# Altium PCB QCLogic Rev A.PcbDoc (part 1 of 3) (continued)
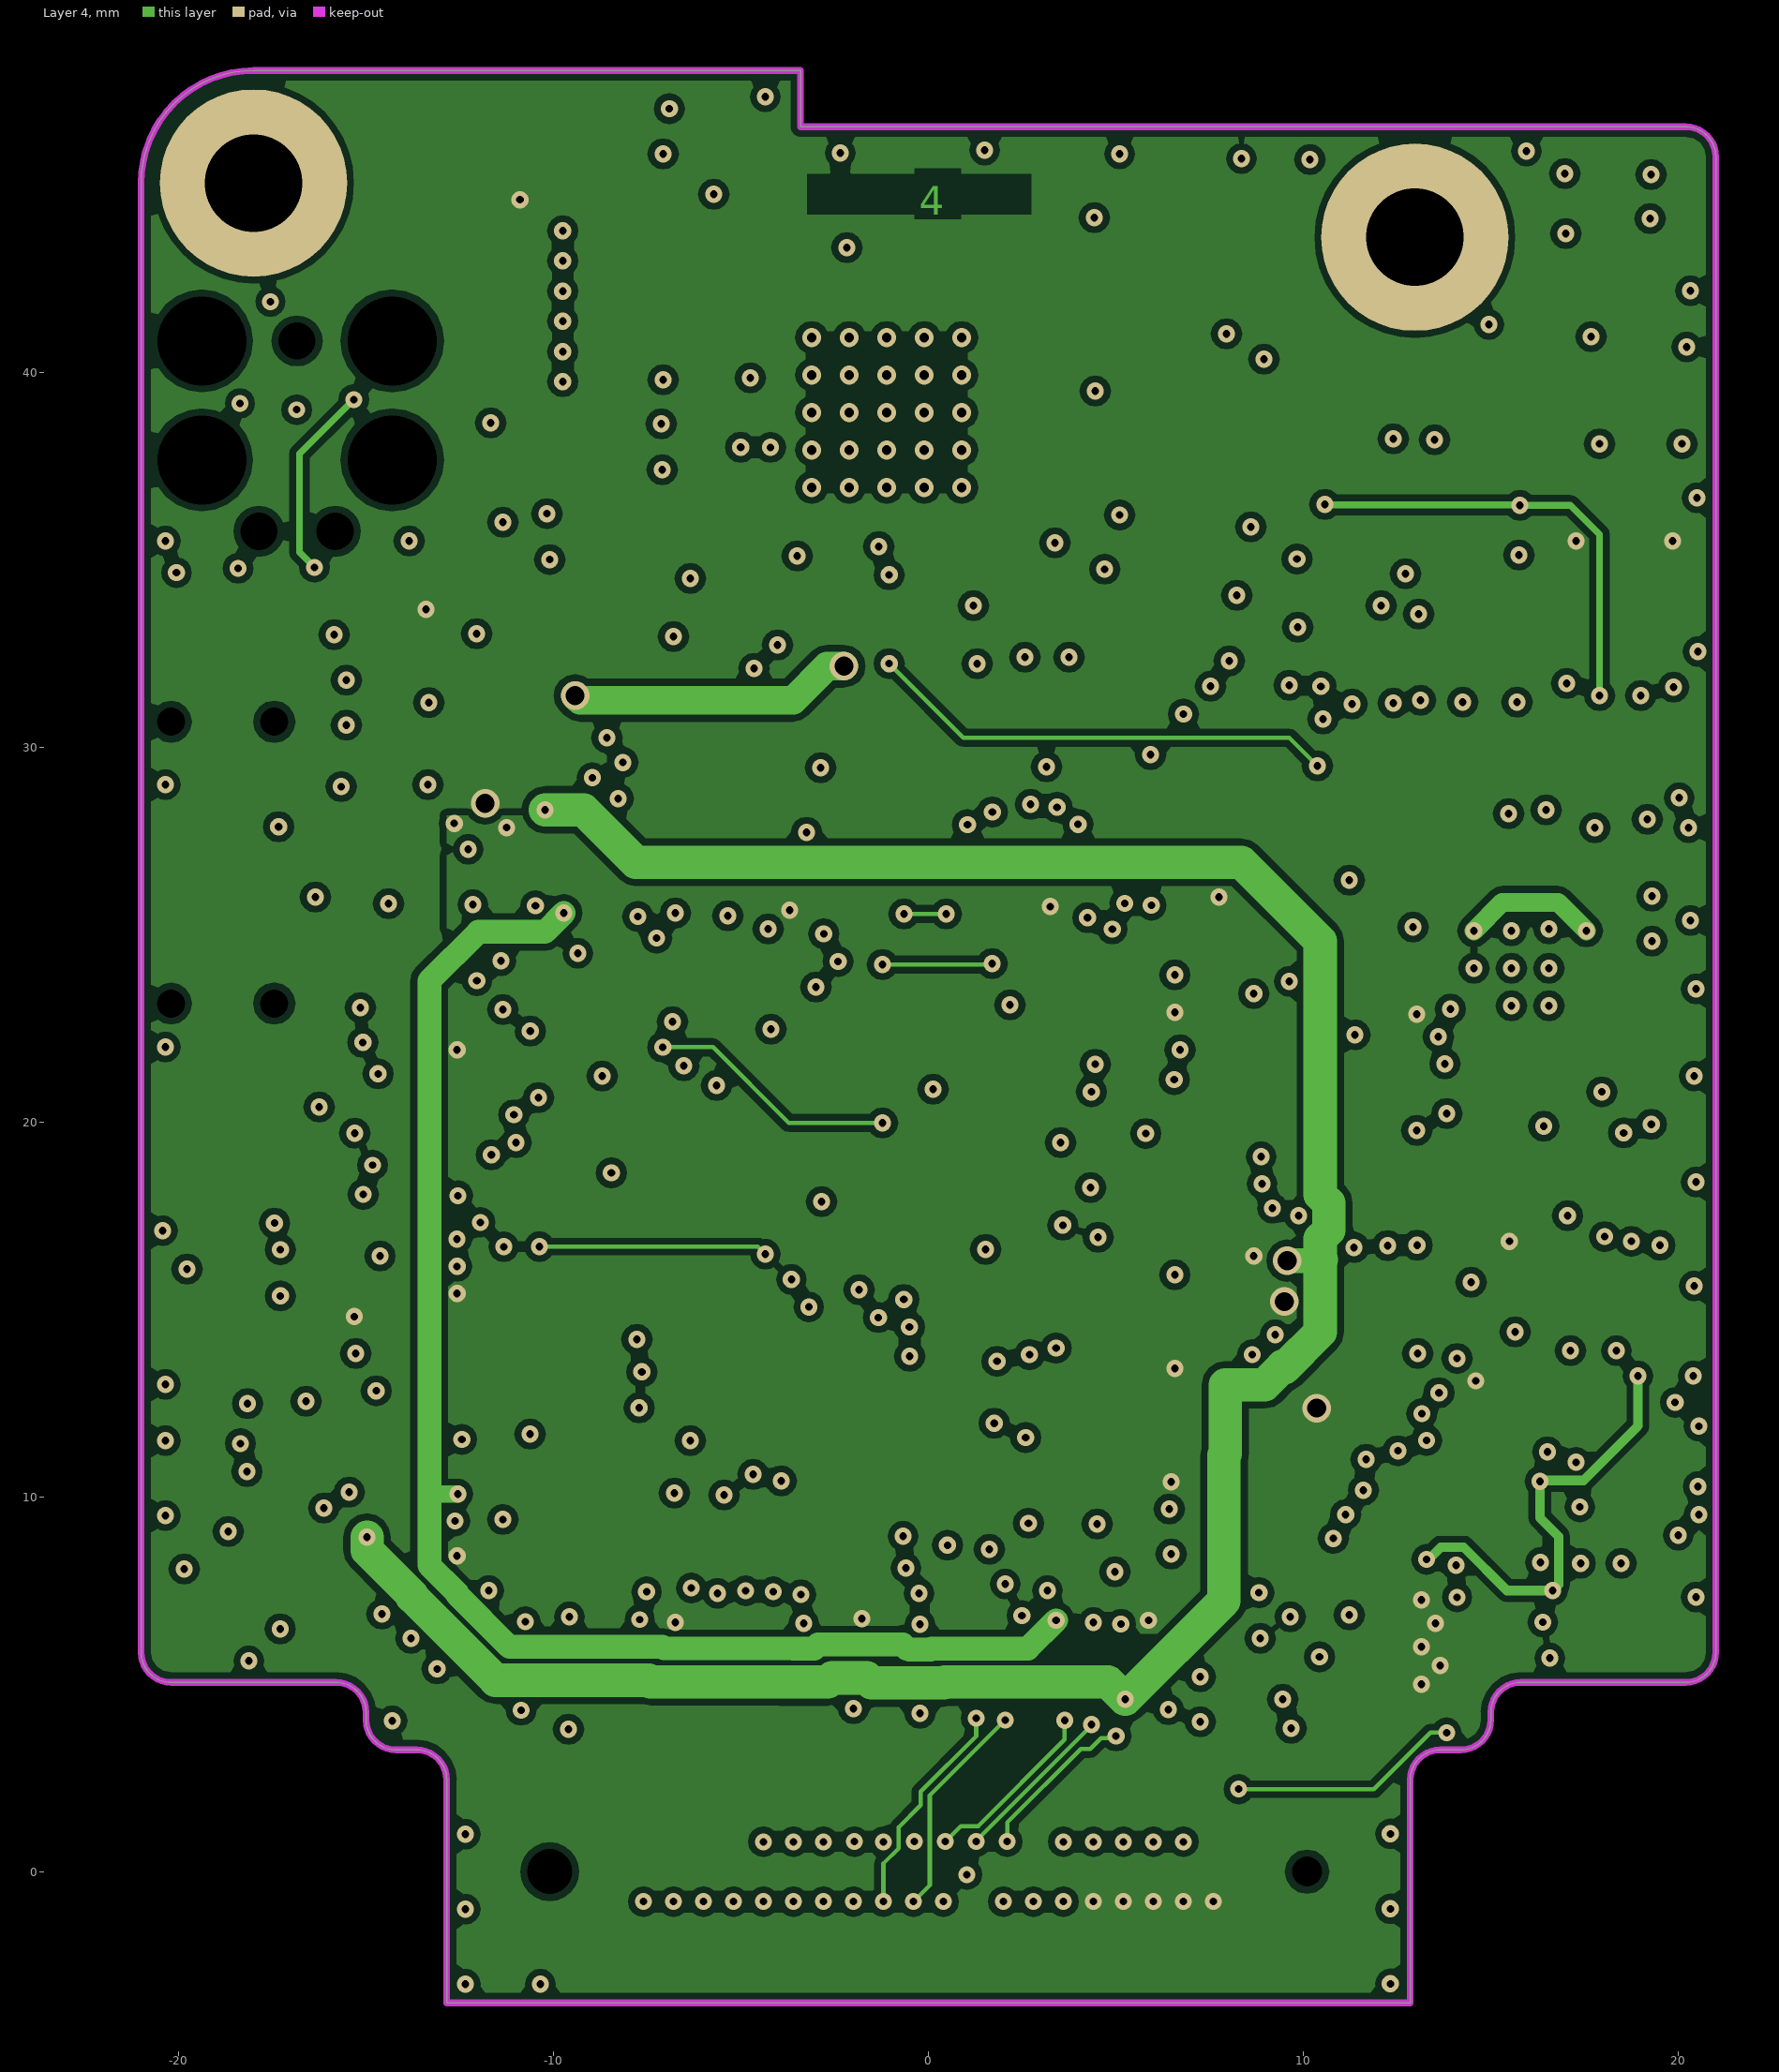
[diagram p4: Layer 4]
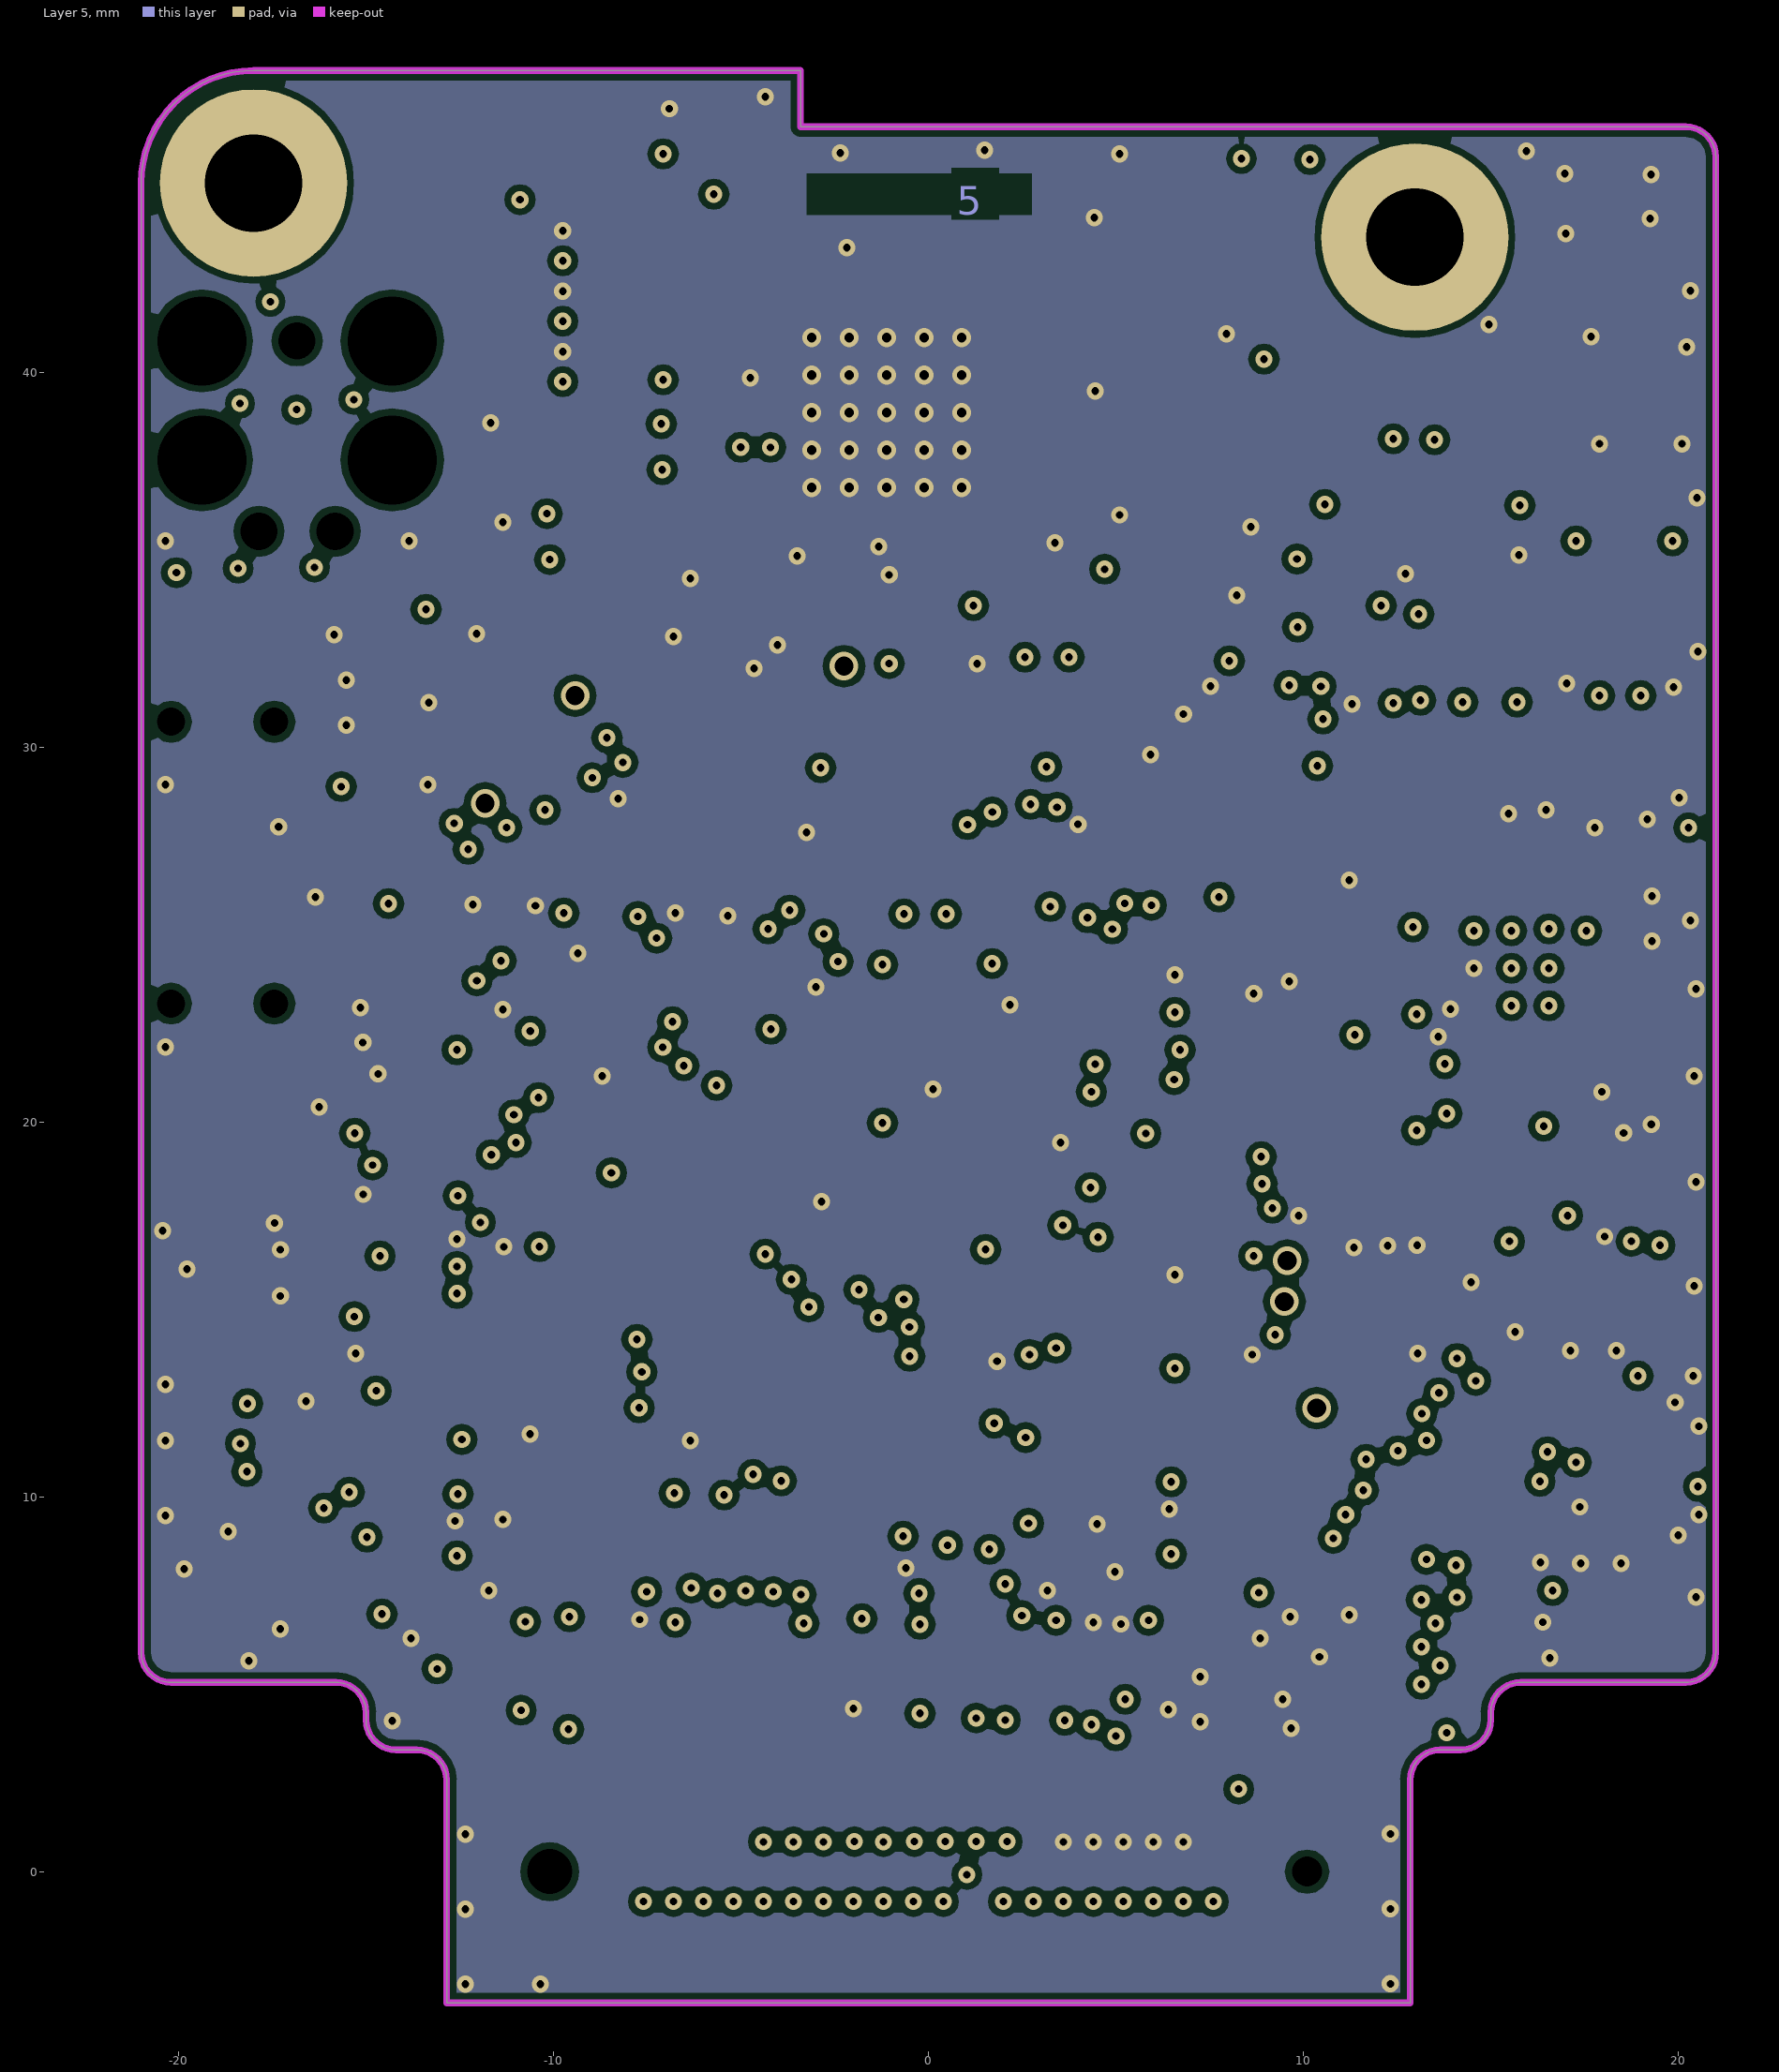
[diagram p5: Layer 5]
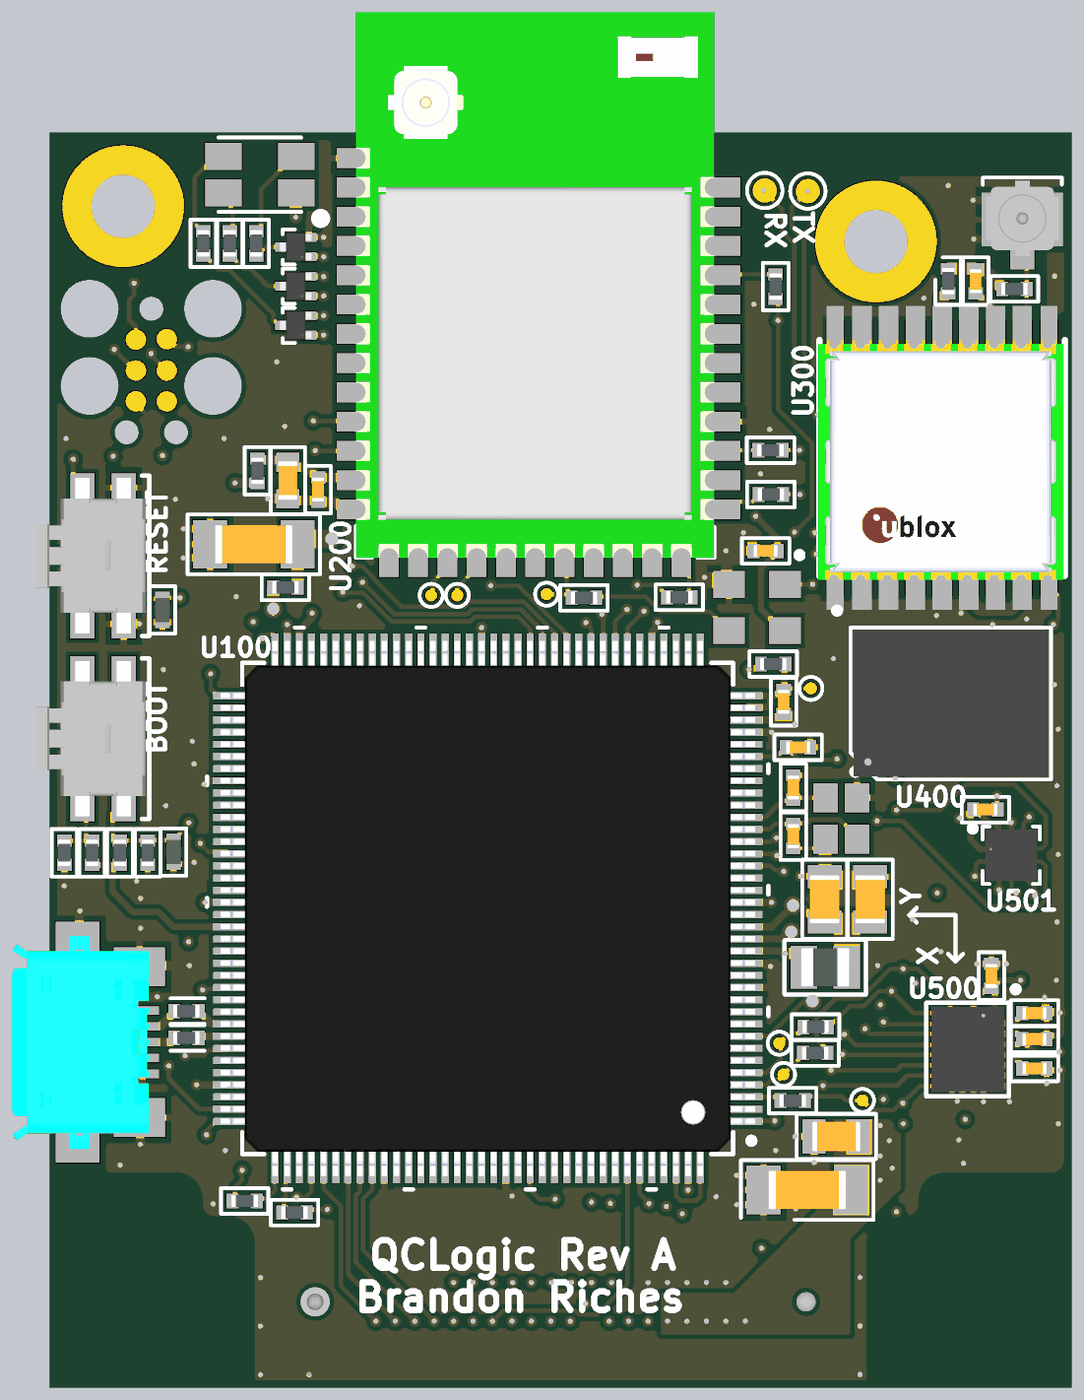
[diagram p8: 3D render of the assembled board from above, using the file's embedded part models]
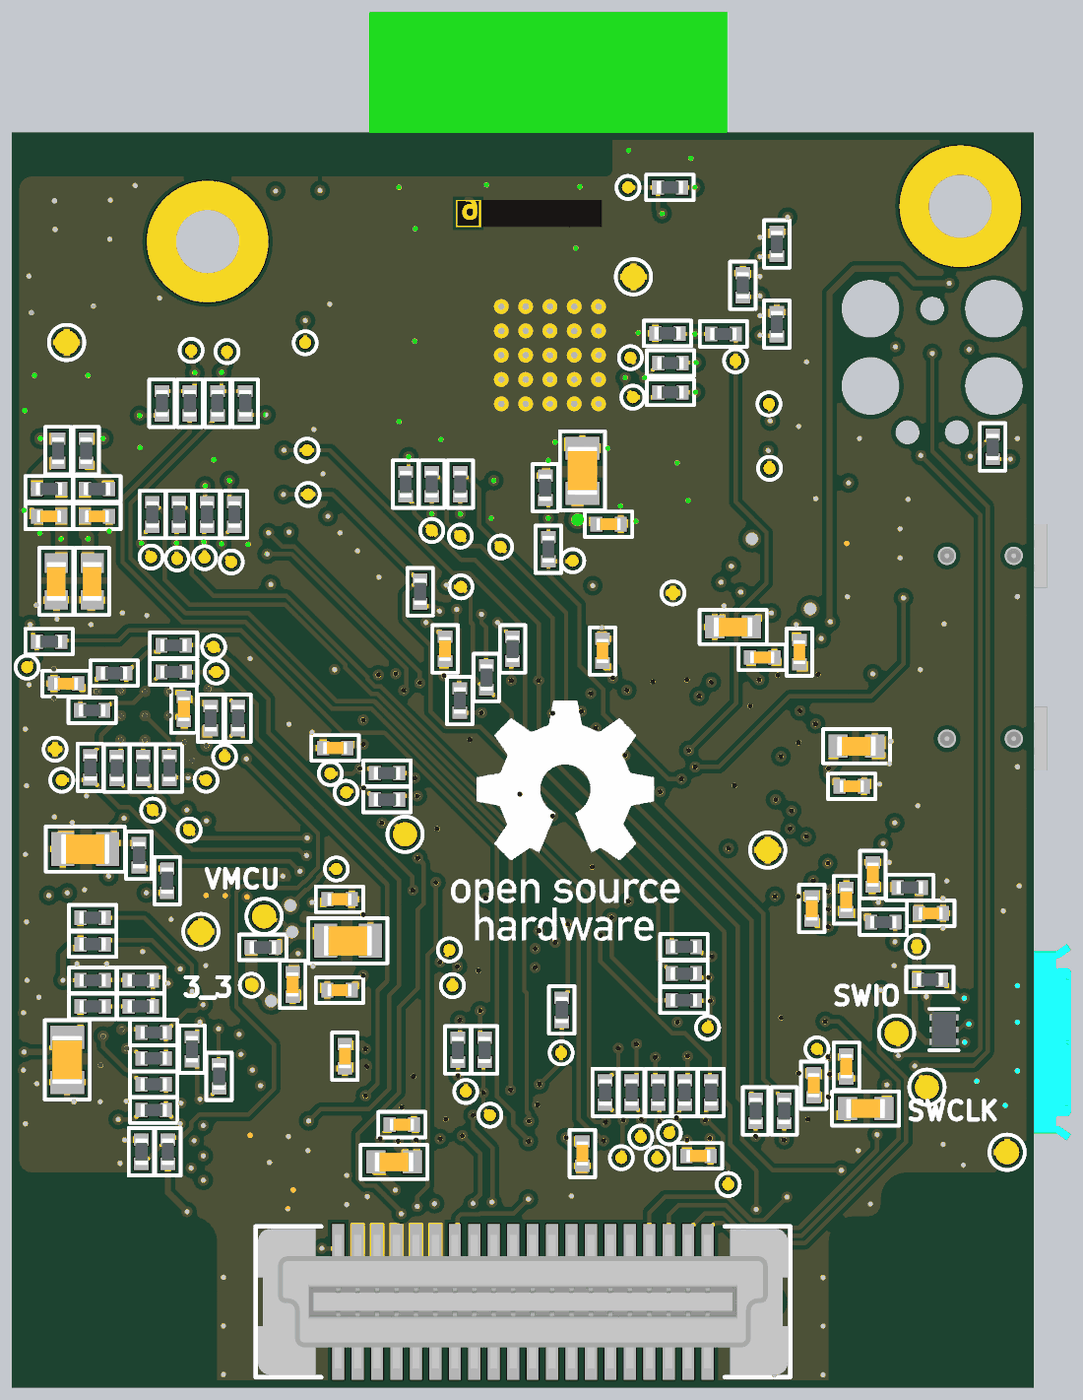
[diagram p9: 3D render of the assembled board from below, using the file's embedded part models]

## Layer stack, top to bottom
Top Solder: solder mask 0.0102, Solder Resist, Dk 3.5
Layer 1: signal copper 0.035
Dielectric 2: prepreg 0.1, PP-006, Dk 4.29
Layer 2: signal copper 0.0178
Dielectric 4: core 0.565, Core-009, Dk 4.5
Layer 3: signal copper 0.0178
Dielectric 1: prepreg 0.127, PP-006, Dk 4.29
Layer 4: signal copper 0.0178
Dielectric 5: core 0.565, Core-009, Dk 4.5
Layer 5: signal copper 0.0178
Dielectric 3: prepreg 0.1, PP-006, Dk 4.29
Layer 6: signal copper 0.035
Bottom Solder: solder mask 0.0102, Solder Resist, Dk 3.5

## Board outline
-15,4.05 ccw(c-14.2,4.05) -14.2,3.25 -13.65,3.25 cw(c-13.65,2.45) -12.85,2.45 -12.85,-3.5 12.85,-3.5 12.85,2.45 cw(c13.65,2.45) 13.65,3.25 14.2,3.25 ccw(c14.2,4.05) 15,4.05 15,4.25 cw(c15.8,4.25) 15.8,5.05 20.2,5.05 ccw(c20.2,5.85) 21,5.85 21,45.75 ccw(c20.2,45.75) 20.2,46.55 -3.412,46.55 -3.412,48.05 -18,48.05 ccw(c-18,45.05) -21,45.05 -21,5.85 ccw(c-20.2,5.85) -20.2,5.05 -15.8,5.05 cw(c-15.8,4.25) -15,4.25

## Design rules (kind name [scope] priority, off if disabled: settings)
Clearance ClearanceHS [InNetClass('WIFI')     OR InNetClass('FLASH') vs InNetClass('WIFI')     OR InNetClass('FLASH')] p1: gap=0.127 ignorepadtopadclearanceinfootprint=FALSE except(0.305: Arc-Arc Arc-Track Track-Track)
Clearance [All] p2: gap=0.127 ignorepadtopadclearanceinfootprint=FALSE except(0.178: Arc-Poly Track-Poly SMDPad-Poly THPad-Poly Via-Poly Fill-Poly Poly-Poly; 0.254: Track-Hole; 0.33: Track-THPad; 0.5: THPad-THPad)
ComponentClearance [NOT HasFootprint('CONN EDGE PCIE MINI CARD')] p1 off: gap=0.254 collisioncheckmode=3 verticalgap=0.254 showdistances=FALSE
HoleSize [All] p1: absolutevalues=TRUE maxlimit=5.08 minlimit=0.2 maxpercent=80.000 minpercent=20.000
HoleToHoleClearance [All] p1: gap=0.5 allowstackedmicrovias=TRUE
MinimumAnnularRing [All] p1: minimumring=0.102
MinimumSolderMaskSliver [All] p1: minsoldermaskwidth=0.2
PolygonConnect PolygonConnectVIa [IsVia] p1: connectstyle=Direct reliefconductorwidth=0.254 reliefentries=4 polygonreliefangle="90 Angle" airgapwidth=0.254
PolygonConnect PolygonConnect_1 [All] p2: connectstyle=Relief reliefconductorwidth=0.254 reliefentries=4 polygonreliefangle="90 Angle" airgapwidth=0.254
RoutingLayers RoutingLayersPoly [IsPoly] p1: top layer_v5=TRUE mid layer 1_v5=TRUE mid layer 2_v5=TRUE mid layer 3_v5=TRUE mid layer 4_v5=TRUE bottom layer_v5=TRUE
RoutingLayers RoutingLayersTracks [All] p2: top layer_v5=TRUE mid layer 1_v5=TRUE mid layer 2_v5=TRUE mid layer 3_v5=TRUE mid layer 4_v5=FALSE bottom layer_v5=TRUE
RoutingVias [All] p1: holewidth=0.203 width=0.457 viastyle="Through Hole" minholewidth=0.2 minwidth=0.45 maxholewidth=5.08 maxwidth=5.08
SilkToSilkClearance [All] p1 off: silktosilkclearance=0.025
SilkToSolderMaskClearance [IsPad] p1: minsilkscreentomaskgap=0.15 clearancetoexposedcopper=TRUE
SolderMaskExpansion [All] p1: expansion=0.05
Width Width50 [InNetClass('WIFI')     OR InNetClass('FLASH')] p1: maxlimit=0.18 minlimit=0.035 preferedwidth=0.119 toplayer_minwidth=0.178 toplayer_prefwidth=0.178 midlayer1_minwidth=0.114 midlayer1_maxwidth=0.115 midlayer1_prefwidth=0.114 midlayer2_minwidth=0.114 midlayer2_maxwidth=0.115 midlayer2_prefwidth=0.114 midlayer3_maxwidth=0.119 midlayer4_maxwidth=0.119 bottomlayer_minwidth=0.178 bottomlayer_prefwidth=0.178 impedanceprofiledriven=TRUE impedanceprofileid={8AB0AEC0-3C3F-4239-AC0A-E0F8066F2BB8} impedanceprofilevalue=50.000000 minimp=50.000000 maximp=50.000000 favimp=50.000000
Width [All] p2: maxlimit=20 minlimit=0.114 preferedwidth=0.114 toplayer_prefwidth=0.178 bottomlayer_prefwidth=0.178 minimp=50.000000 maximp=50.000000 favimp=50.000000
23 further rules are at their usual default settings.

## Classes and differential pairs
net class FLASH: FLASH_NRESET QSPI1_CSn QSPI1_D0 QSPI1_D1 QSPI1_D2 QSPI1_D3 QSPI1_RESETn QSPI1_SCK QSPI_CLK QSPI_CSN QSPI_IO0 QSPI_IO1 QSPI_IO2 QSPI_IO3
net class WIFI: ATWIN_SDIO_CLK ATWIN_SDIO_CMD/SPI_SCLK ATWIN_SDIO_DAT0/SPI_MISO ATWIN_SDIO_DAT1/SPI_CS ATWIN_SDIO_DAT2/SPI_MOSI ATWIN_SDIO_DAT3 WIFI_SDIO_CLK WIFI_SDIO_CMD/SPI_SCLK WIFI_SDIO_DAT0/SPI_MISO WIFI_SDIO_DAT1/SPI_CS WIFI_SDIO_DAT2/SPI_MOSI WIFI_SDIO_DAT3

## Components (designator, comment, footprint, x,y, rotation, side; value= is the part's Value field where it differs from the comment)
C100 "0.1uF" "SMD CAP 0402" 9.775,22.8 r180 top
C200 "47uF" "SMD CAP 1206" -12.625,31.15 r180 top
C201 "10uF" "SMD CAP 0805" -2.45,34.175 r90 bottom
C202 "0.1uF" "SMD CAP 0402" -3.525,31.975 r0 bottom
C203 "0.1uF" "SMD CAP 0402" -9.975,33.4 r90 top
C204 "4.7uF" "SMD CAP 0603" -11.225,33.775 r270 top
C205 "0.1uF" "SMD CAP 0402" 8.433,30.88 r0 top
C300 "4.7uF" "SMD CAP 0603" 17.725,29.625 r270 bottom
C301 "0.1uF" "SMD CAP 0402" 17.525,32.3 r0 bottom
C302 "4.7uF" "SMD CAP 0603" 19.2,29.625 r270 bottom
C303 "0.1uF" "SMD CAP 0402" 19.5,32.3 r180 bottom
C305 "0.01uF" "SMD CAP 0402" 17.077,41.973 r270 top
C400 "0.01uF" "SMD CAP 0402" 13.95,24.375 r270 bottom
C401 "0.01uF" "SMD CAP 0402" 18.8,25.425 r0 bottom
C500 "0.1uF" "SMD CAP 0402" 19.5,10.8 r180 top
C501 "10uF" "SMD CAP 0805" 18.75,9.95 r270 bottom
C502 "0.1uF" "SMD CAP 0402" 17.725,13.4 r270 top
C503 "0.1uF" "SMD CAP 0402" 19.5,11.875 r180 top
C504 "0.01uF" "SMD CAP 0402" 19.5,9.6 r0 top
C505 "0.1uF" "SMD CAP 0402" 17.478,20.244 r180 top
C506 "10uF" "SMD CAP 0805" 18.01,18.618 r0 bottom
C600 "47uF" "SMD CAP 1206" 10.15,4.6 r180 top
C601 "10uF" "SMD CAP 0805" 11.35,6.8 r180 top
C700 "0.1uF" "SMD CAP 0402" -16.785,15.977 r0 bottom
C701 "8pF" "SMD CAP 0402" 9.575,19.15 r270 top
C702 "8pF" "SMD CAP 0402" 9.575,21.15 r90 top
C800 "10uF" "SMD CAP 0805" 7.2,14.85 r180 bottom
C801 "4.7uF" "SMD CAP 0603" -13.725,22.85 r180 bottom
C802 "0.1uF" "SMD CAP 0402" -13.535,21.199 r0 bottom
C803 "0.1uF" "SMD CAP 0402" -7.225,6 r0 bottom
C804 "0.1uF" "SMD CAP 0402" -2.45,6.1 r90 bottom
C805 "0.1uF" "SMD CAP 0402" 3.2,26.85 r270 bottom
C806 "0.1uF" "SMD CAP 0402" -11.378,26.714 r90 bottom
C807 "0.1uF" "SMD CAP 0402" -11.887,16.173 r270 bottom
C808 "0.1uF" "SMD CAP 0402" -11.963,8.909 r270 bottom
C809 "0.1uF" "SMD CAP 0402" -3.276,26.765 r270 bottom
C810 "10uF" "SMD CAP 0805" 10.865,16.554 r90 top
C811 "10uF" "SMD CAP 0805" 12.742,16.554 r90 top
C812 "220pF" "SMD CAP 0402" 9.475,13.05 r90 bottom
C813 "1uF" "SMD CAP 0402" -14.399,17.57 r90 bottom
C814 "2.2uF" "SMD CAP 0402" -9.85,26.5 r0 bottom
C815 "2.2uF" "SMD CAP 0402" -13.31,9.686 r90 bottom
C816 "1uF" "SMD CAP 0402" -13.31,16.529 r90 bottom
C817 "0.1uF" "SMD CAP 0402" 7.544,16.554 r0 bottom
C818 "0.1uF" "SMD CAP 0402" 7.725,22.775 r180 bottom
C819 "0.1uF" "SMD CAP 0402" 7.544,12.82 r180 bottom
C820 "0.1uF" "SMD CAP 0402" 4.979,7.283 r0 bottom
C821 "0.1uF" "SMD CAP 0402" 7.325,10.1 r90 bottom
C822 "0.1uF" "SMD CAP 0402" 9.175,24.675 r90 top
C823 "4.7uF" "SMD CAP 0603" -14.1,7.95 r0 bottom
C824 "4.7uF" "SMD CAP 0603" -8.65,27.75 r0 bottom
C825 "4.7uF" "SMD CAP 0603" 5.3,5.75 r180 bottom
D700 "TPD1E10B06" "DIODE 0402 2-X1SON" -15.925,18.5 r90 top
D701 "TPD1E10B06" "DIODE 0402 2-X1SON" -16.383,28.448 r90 top
D702 "TPD4S012DRYR" "SON-6 1.45x1" -17.322,11.191 r0 bottom
D703 "RGB LED" "PLCC-4 LED ASMB-MTB0-0A3A2" -12.375,46.35 r90 top
J300 "U.FL" U.FL 19,44.55 r180 top
J600 "B2B CONNECTOR" "CONN B2B RECPT 40POS SMD GOLD" 0,0 r0 bottom
J700 "TC2030" tag-connect-6 -16.841,40.836 r270 top locked
J701 "Micro-AB" "CONN USB MICRO_AB" -19.703,10.675 r270 top
L300 "FB 1K" "SMD RES 0402" 17.525,33.425 r0 bottom
L301 "FB 1K" "SMD RES 0402" 19.5,33.425 r180 bottom
L302 "FB 1K" "SMD RES 0402" 13.709,36.95 r90 bottom
L303 "27nH" "SMD RES 0402" 18.676,41.65 r180 top
L304 "FB 1K" "SMD RES 0402" 12.567,36.95 r90 bottom
L305 "FB 1K" "SMD RES 0402" 11.875,32.375 r270 bottom
L306 "FB 1K" "SMD RES 0402" 13,32.375 r270 bottom
L307 "FB 1K" "SMD RES 0402" 15.25,32.375 r270 bottom
L308 "FB 1K" "SMD RES 0402" 14.15,32.375 r270 bottom
L309 "FB 1K" "SMD RES 0402" 19.5,27.15 r0 bottom
L500 "FB 1K" "SMD RES 0402" 17.7,13.225 r0 bottom
L501 "FB 1K" "SMD RES 0402" 17.7,12.15 r0 bottom
L502 "FB 1K" "SMD RES 0402" 15.802,18.364 r90 bottom
L800 "2.2uH" "IND SMD 0806" 10.89,13.76 r180 top
L801 "FB 1K" "SMD RES 0402" 8.75,26.225 r0 top
Q700 "RUM001L02T2CL" SOT-723 -10.9,41.762 r90 top
Q701 "RUM001L02T2CL" SOT-723 -10.9,40.15 r90 top
Q702 "RUM001L02T2CL" SOT-723 -10.9,43.375 r90 top
R100 "0R0" "SMD RES 0402" -9.575,7.85 r270 bottom
R101 "NNP" "SMD RES 0402" 4.225,29.2 r90 bottom
R102 "NNP" "SMD RES 0402" 2.6,24.725 r90 bottom
R103 "NNP" "SMD RES 0402" 1.5,25.675 r90 bottom
R104 "NNP" "SMD RES 0402" 0.425,26.85 r90 bottom
R105 "0R0" "SMD RES 0402" -15.398,11.952 r0 top
R106 "0R0" "SMD RES 0402" -15.398,10.852 r0 top
R107 "0R0" "SMD RES 0402" -6.625,14.6 r180 bottom
R108 "0R0" "SMD RES 0402" -6.625,13.5 r180 bottom
R109 "0R0" "SMD RES 0402" -13,4.15 r0 top
R110 "0R0" "SMD RES 0402" -10.95,3.675 r180 top
R111 "0R0" "SMD RES 0402" -10.75,7.85 r270 bottom
R112 "1M" "SMD RES 0402" 14.608,6.172 r90 bottom
R113 "100k" "SMD RES 0402" 15.699,6.172 r90 bottom
R200 "0R0" "SMD RES 0402" -12.475,34.175 r270 top
R201 "0R0" "SMD RES 0402" 8.85,41.75 r90 top
R202 "0R0" "SMD RES 0402" -6.05,45.825 r0 bottom
R203 "0R0" "SMD RES 0402" 3.75,33.625 r270 bottom
R204 "0R0" "SMD RES 0402" 4.882,28.975 r0 top
R205 "0R0" "SMD RES 0402" 8.65,33.2 r180 top
R206 "0R0" "SMD RES 0402" 4.825,33.625 r90 bottom
R207 "0R0" "SMD RES 0402" 8.636,35.02 r0 top
R208 "0R0" "SMD RES 0402" 2.575,33.625 r90 bottom
R209 "0R0" "SMD RES 0402" -6.071,38.602 r180 bottom
R210 "0R0" "SMD RES 0402" -6.071,37.398 r180 bottom
R211 "0R0" "SMD RES 0402" -1.047,30.947 r270 bottom
R212 "0R0" "SMD RES 0402" -8.25,39.8 r180 bottom
R213 "100k" "SMD RES 0402" -5.95,39.825 r0 bottom
R214 "100k" "SMD RES 0402" -0.922,33.475 r90 bottom